# Altium PCB PCB_R_Board.PcbDoc
Units mm, origin at the board's own origin, x right, y up, seen from the top; angles counter-clockwise.
Board outline 95 x 60 mm, 2 copper layers (Top Layer, Bottom Layer); 102 components, 70 nets, 349 pads, 77 vias.
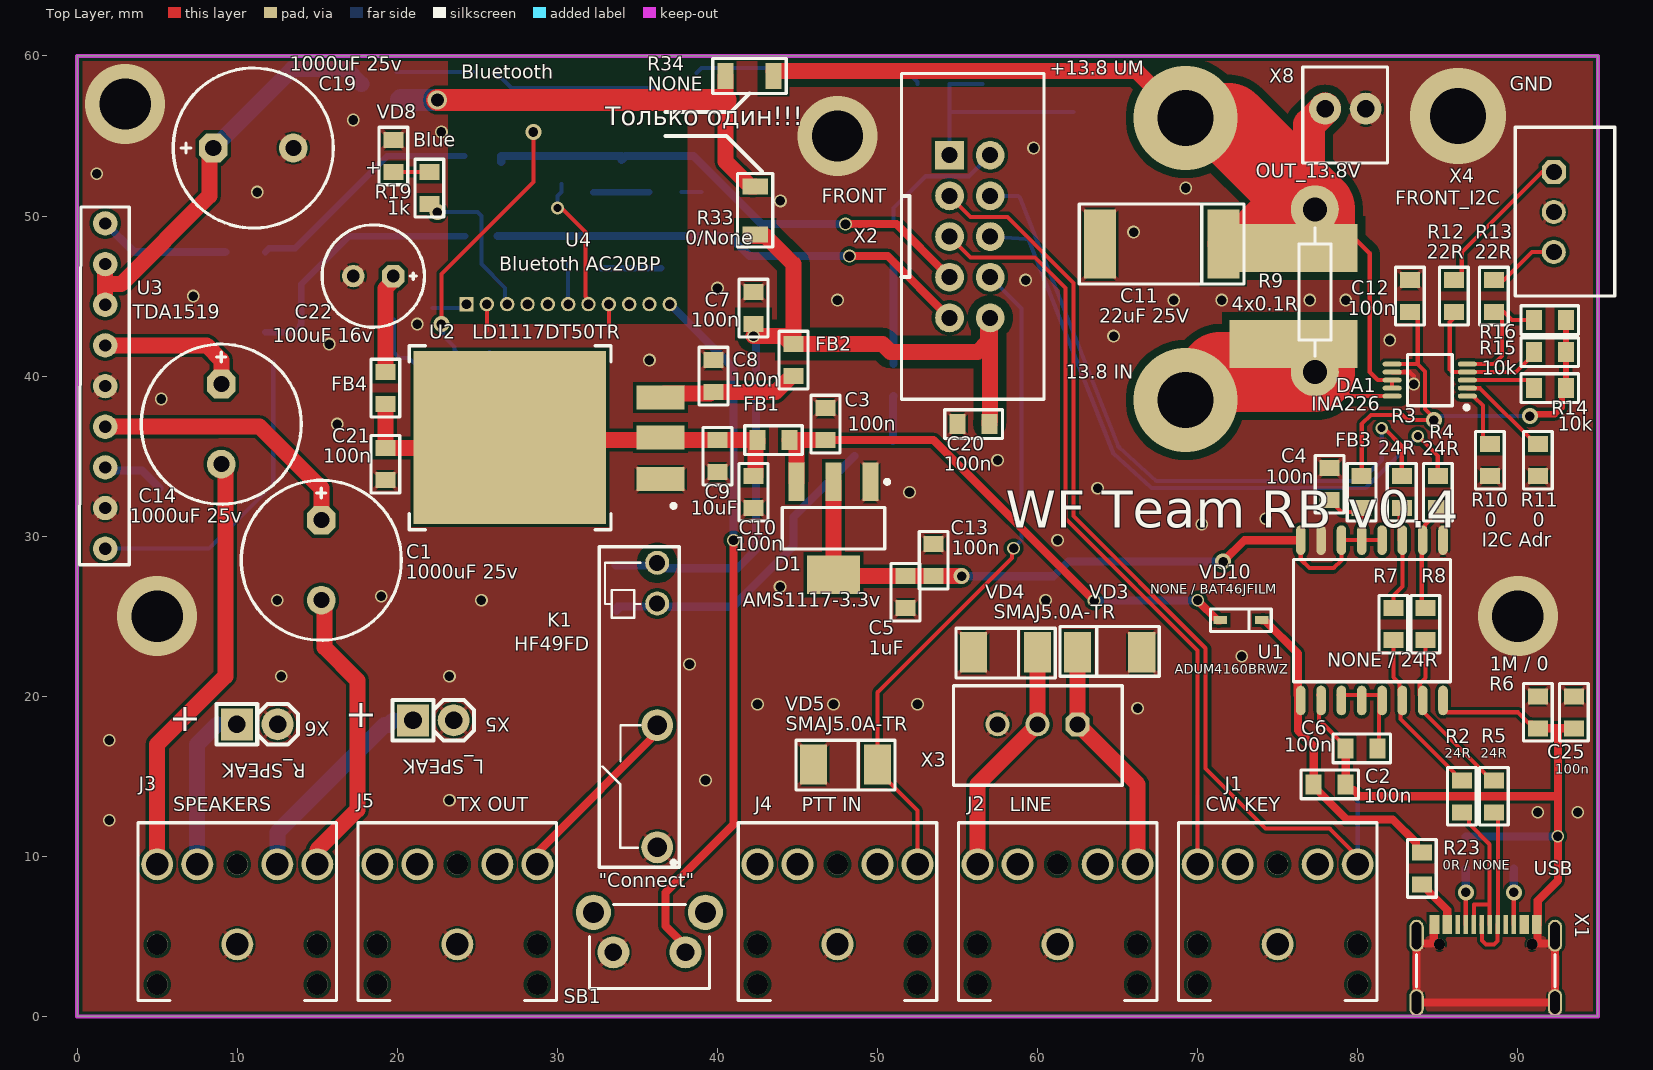
[diagram p0: Top Layer view]
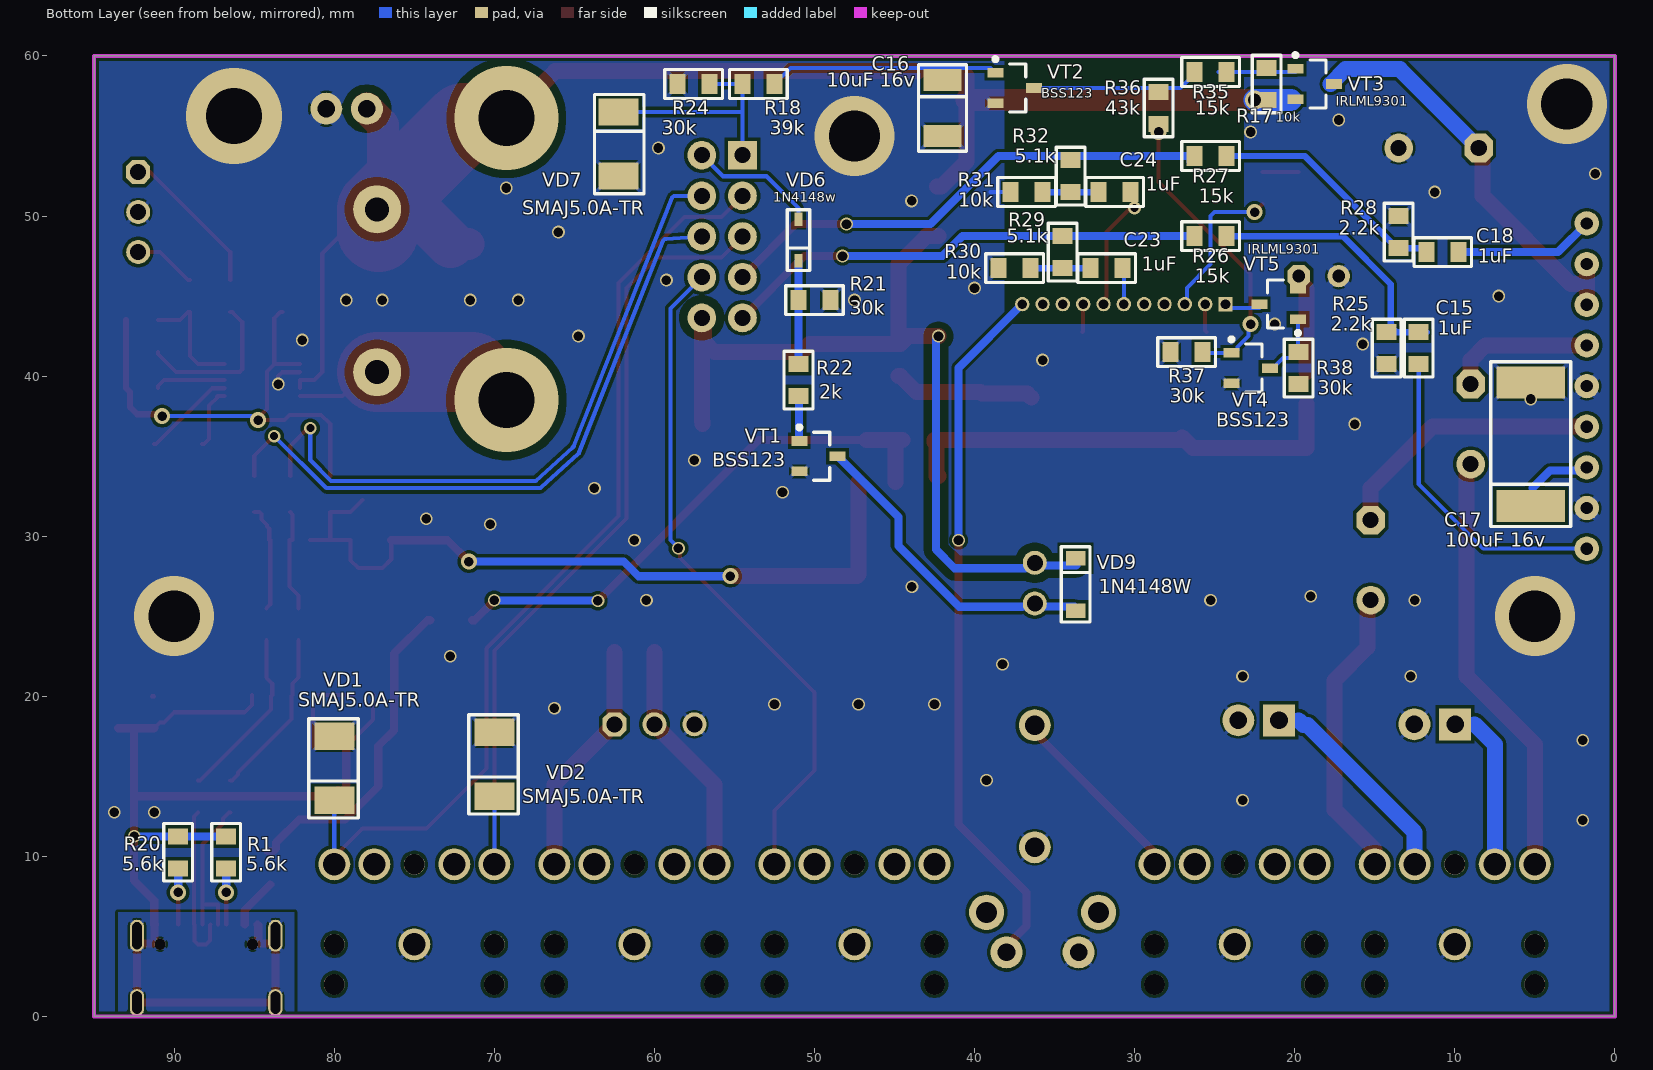
[diagram p1: Bottom Layer view, seen from below]
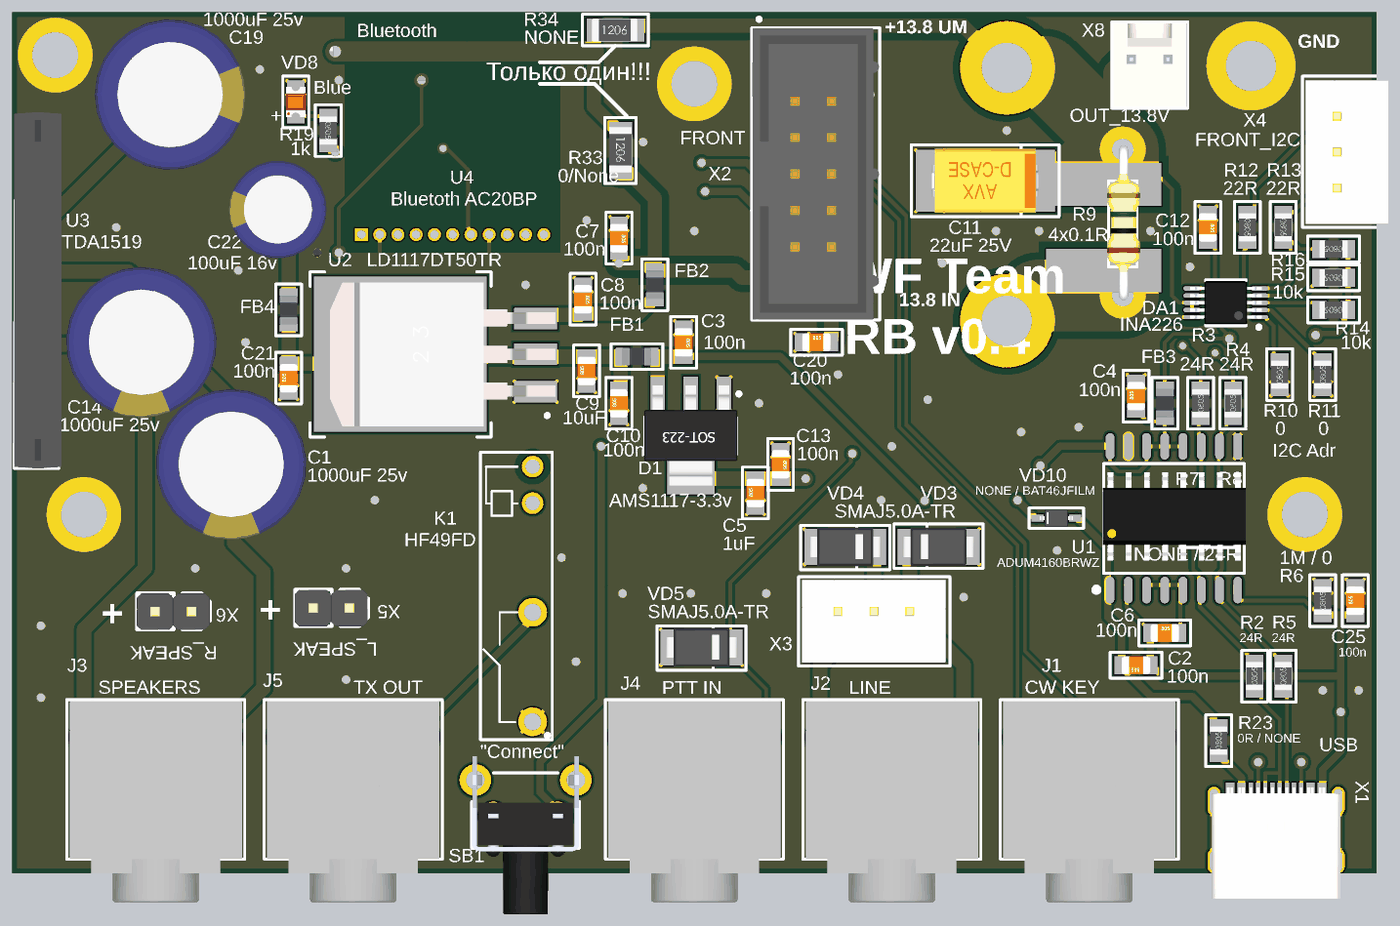
[diagram p2: 3D render of the assembled board from above, using the file's embedded part models]
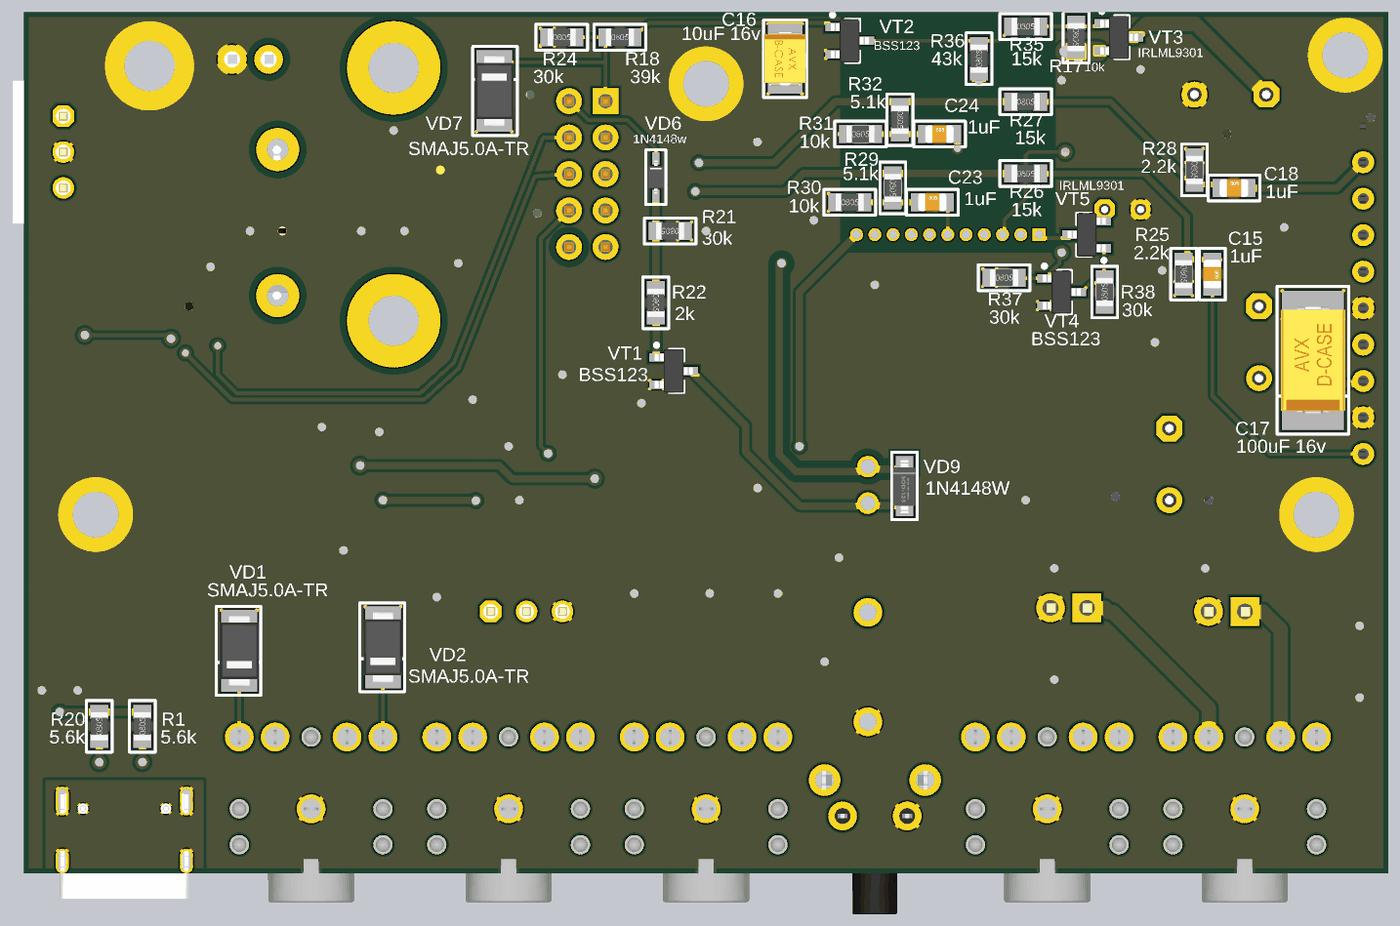
[diagram p3: 3D render of the assembled board from below, using the file's embedded part models]

## Layer stack, top to bottom
Top Solder: solder mask 0.0102, Solder Resist, Dk 3.5
Top Layer: signal copper 0.0356
Dielectric 1: dielectric 0.32, FR-4, Dk 4.8
Bottom Layer: signal copper 0.0356
Bottom Solder: solder mask 0.0102, Solder Resist, Dk 3.5

## Board outline
0,0 0,60 95,60 95,0

## Design rules (kind name [scope] priority, off if disabled: settings)
Clearance Power [InNetClass('Power')] p1: gap=0.508 ignorepadtopadclearanceinfootprint=FALSE
Clearance [All] p2: gap=0.2 ignorepadtopadclearanceinfootprint=FALSE except(0.3: Arc-Via Track-Via)
PolygonConnect "All Poly" [All] p1: connectstyle=Relief reliefconductorwidth=0.254 reliefentries=4 polygonreliefangle="45 Angle" airgapwidth=0.127
RoutingVias [All] p1: holewidth=0.711 width=1.27 viastyle="Through Hole" minholewidth=0.711 minwidth=1.27 maxholewidth=0.711 maxwidth=1.27
SolderMaskExpansion [All] p1: expansion=0.102 istentingtop=FALSE
Width [All] p1: maxlimit=5 minlimit=0.127 preferedwidth=0.508 minimp=50.000000 maximp=50.000000 favimp=50.000000
30 further rules are at their usual default settings.

## Classes and differential pairs
net class Power: +12RB "+13.8 UM" IN+
component class RB_Power: C2 C3 C4 C5 C6 C7 C8 C9 C10 C11 C12 C13 C25 D1 DA1 FB1 FB2 FB3 R2 R3 R4 R5 R6 R7 R8 R9 R10 R11 R12 R13 R14 R15 R16 R23 U1 U2 VD10 X8
component class RB_Conn: C20 J1 J2 J3 J4 J5 K1 R1 R20 R21 R22 VD1 VD2 VD3 VD4 VD5 VD6 VD9 VT1 X1 X2 X3 X4 X5 X6
component class RB_Audio: C1 C14 C15 C16 C17 C18 C19 C21 C22 C23 C24 FB4 R17 R18 R19 R24 R25 R26 R27 R28 R29 R30 R31 R32 R33 R34 R35 R36 R37 R38 SB1 U3 U4 VD7 VD8 VT2 VT3 VT4 VT5

## Components (designator, comment, footprint, x,y, rotation, side; value= is the part's Value field where it differs from the comment)
C1 "1000uF 25v" D10C5H12.5 15.25,28.5 r270 top
C2 "100n" CH0805C 78.25,14.5 r180 top
C3 "100n" CH0805C 46.75,37 r270 top
C4 "100n" CH0805C 78.25,33.25 r90 top
C5 "1uF" CH0805C 51.75,26.5 r90 top
C6 "100n" CH0805C 80.25,16.75 r0 top
C7 "100n" CH0805C 42.25,44.25 r270 top
C8 "100n" CH0805C 39.75,40 r270 top
C9 "10uF" CH0805C 40,35 r90 top
C10 "100n" CH0805C 42.25,32.75 r90 top
C11 "22uF 25V" TANTAL_D 67.75,48.25 r180 top
C12 "100n" CH0805C 83.25,45 r270 top
C13 "100n" CH0805C 53.5,28.5 r270 top
C14 "1000uF 25v" D10C5H12.5 9,37 r270 top
C15 "1uF" CH0805C 12.25,41.75 r270 bottom
C16 "10uF 16v" TANTAL_B 42,56.75 r270 bottom
C17 "100uF 16v" TANTAL_D 5.25,35.75 r90 bottom
C18 "1uF" CH0805C 10.75,47.75 r180 bottom
C19 "1000uF 25v" D10C5H12.5 11,54.25 r0 top
C20 "100n" CH0805C 56,37 r0 top
C21 "100n" CH0805C 19.25,34.5 r90 top
C22 "100uF 16v" D6.3C2.5H11 18.5,46.25 r180 top
C23 "1uF" CH0805C 31.75,46.75 r180 bottom
C24 "1uF" CH0805C 31.25,51.5 r180 bottom
C25 "100n" CH0805C 93.504,19 r90 top
D1 "AMS1117-3.3v" SOT223 47.25,30.5 r270 top
DA1 "INA226" 10-TSSOP 84.5,39.75 r180 top
FB1 "BLM21" CH0805L 43.5,36 r180 top
FB2 "BLM21" CH0805L 44.75,41 r90 top
FB3 "BLM21" CH0805L 80.25,32.75 r90 top
FB4 "BLM21" CH0805L 19.25,39.25 r270 top
J1 "PJ-307" PJ-307 75,4.5 r90 top locked
J2 "PJ-307" PJ-307 61.25,4.5 r90 top locked
J3 "PJ-307" PJ-307 10,4.5 r90 top locked
J4 "PJ-307" PJ-307 47.5,4.5 r90 top locked
J5 "PJ-307" PJ-307 23.75,4.5 r90 top locked
K1 "HF49FD" HF49FD 37.612,9.315 r90 top
R1 "5.6k" CH0805R 86.75,10.25 r90 bottom
R2 "24R" CH0805R 86.5,13.75 r90 top
R3 "24R" CH0805R 82.75,32.75 r90 top
R4 "24R" CH0805R 85,32.75 r90 top
R5 "24R" CH0805R 88.5,13.75 r90 top
R6 "1M / 0" CH0805R 91.25,19 r90 top
R7 "NONE / 24R" CH0805R 82.225,24.5 r90 top
R8 "NONE / 24R" CH0805R 84.225,24.5 r90 top
R9 "4x0.1R" R-DIP 77.325,40.25 r90 top
R10 "0" CH0805R 88.25,34.75 r90 top
R11 "0" CH0805R 91.25,34.75 r90 top
R12 "22R" CH0805R 86,45 r270 top
R13 "22R" CH0805R 88.5,45 r270 top
R14 "10k" CH0805R 92,39.25 r180 top
R15 "10k" CH0805R 92,41.5 r180 top
R16 "10k" CH0805R 92,43.5 r180 top
R17 "10k" CH0805R 21.75,58.25 r270 bottom
R18 "39k" CH0805R 53.5,58.25 r180 bottom
R19 "1k" CH0805R 22,51.75 r270 top
R20 "5.6k" CH0805R 89.75,10.25 r90 bottom
R21 "30k" CH0805R 50,44.75 r0 bottom
R22 "2k" CH0805R 51,39.75 r270 bottom
R23 "0R / NONE" CH0805R 84,9.25 r90 top
R24 "30k" CH0805R 57.554,58.25 r180 bottom
R25 "2.2k" CH0805R 14.25,41.75 r270 bottom
R26 "15k" CH0805R 25.25,48.75 r180 bottom
R27 "15k" CH0805R 25.25,53.75 r180 bottom
R28 "2.2k" CH0805R 13.5,49 r270 bottom
R29 "5.1k" CH0805R 34.5,47.75 r270 bottom
R30 "10k" CH0805R 37.5,46.75 r180 bottom
R31 "10k" CH0805R 36.75,51.5 r180 bottom
R32 "5.1k" CH0805R 34,52.5 r270 bottom
R33 "0/None" CH1206R 42.353,50.361 r270 top
R34 "NONE" CH1206R 42,58.75 r0 top
R35 "15k" CH0805R 25.25,59 r180 bottom
R36 "43k" CH0805R 28.5,56.75 r90 bottom
R37 "30k" CH0805R 26.75,41.5 r180 bottom
R38 "30k" CH0805R 19.75,40.5 r90 bottom
SB1 "\"Connect\"" "BUT: 6x6 mm (R)" 33.5,4 r0 top locked
U1 "ADUM4160BRWZ" 16-SOIC(W) 80.409,24.744 r90 top
U2 "LD1117DT50TR" TO-263-3(123) 27.25,36 r90 top
U3 "TDA1519" SOT110B 1.75,29.22 r90 top
U4 "Bluetoth AC20BP" "Bluetooth 11PIN" 30.671,44.5 r0 top
VD1 "SMAJ5.0A-TR" SMA 80,15.5 r270 bottom
VD2 "SMAJ5.0A-TR" SMA 70,15.75 r270 bottom
VD3 "SMAJ5.0A-TR" SMA 64.5,22.75 r180 top
VD4 "SMAJ5.0A-TR" SMA 58,22.75 r0 top
VD5 "SMAJ5.0A-TR" SMA 48,15.75 r0 top
VD6 "1N4148w" SOD323 51,48.5 r270 bottom
VD7 "SMAJ5.0A-TR" SMA 62.25,54.5 r90 bottom
VD8 "Blue" CH0805LB 19.75,53.75 r90 top
VD9 "1N4148W" SOD123 33.687,25.34 r90 bottom
VD10 "NONE / BAT46JFILM" SOD323 72.7,24.75 r0 top
VT1 "BSS123" SOT23_132 49.75,35 r180 bottom
VT2 "BSS123" SOT23_132 37.5,58 r180 bottom
VT3 "IRLML9301" SOT23_132 18.75,58.25 r180 bottom
VT4 "BSS123" SOT23_132 22.75,40.5 r180 bottom
VT5 "IRLML9301" SOT23_132 21,44.5 r0 bottom
X1 "USB Type-C-m12" PCBComponent_1 88,3.3 r0 top
X2 "FRONT" "CON: BH-10" 54.5,53.8 r270 top
X3 "FRONT_LIN" "CON: CWF-3" 60,18.25 r180 top
X4 "FRONT_I2C" "CON: CWF-3" 92.25,50.25 r270 top
X5 "L_SPEAK" "CON: PLS-2" 22.25,18.5 r0 top
X6 "R_SPEAK" "CON: PLS-2" 11.25,18.25 r0 top
X8 "OUT_13.8V" "CON: WF-02" 77.96,56.707 r0 top

## Footprints (in the part's own frame and the unit in brackets; to place one, negate y for a bottom-side part, rotate by r counter-clockwise, add the part's x,y. Pads: shape width x height; smd on the part's side, far side on the other; paste and mask are expansions set on the pad)
10-TSSOP [mm] "TSSOP, 10-Leads, Body 3,00x2,95mm, Pitch 0,50mm, IPC Medium Density"
  rrect100% 1.2x0.3 smd: 1(-2.35,1) 2(-2.35,0.5) 3(-2.35,0) 4(-2.35,-0.5) 5(-2.35,-1) 6(2.35,-1) 7(2.35,-0.5) 8(2.35,0) 9(2.35,0.5) 10(2.35,1)
  round 0.5 on Mech1: ""(-2.1,1.1)
  silkscreen extent -2.43,-1.6 1.4,1.82, body extent -2.5,-1.5 2.5,1.5, height 1.1
16-SOIC(W) [mm]
  oval 1.85x0.6 smd: 1(-5.006,3.969) 2(-5.006,2.699) 3(-5.006,1.429) 4(-5.006,0.159) 5(-5.006,-1.111) 6(-5.006,-2.381) 7(-5.006,-3.651) 8(-5.006,-4.921) 9(5.006,-4.921) 10(5.006,-3.651) 11(5.006,-2.381) 12(5.006,-1.111) 13(5.006,0.159) 14(5.006,1.429) 15(5.006,2.699) 16(5.006,3.969)
  round 0.7 on Top Overlay: 10(-4.981,4.921)
  round 0.7 on Mech1: 25(-4.744,3.625)
  silkscreen extent -3.83,-5.38 3.81,4.42, body extent -2.94,-5.48 3.19,4.48, height 1.73
"Bluetooth 11PIN" [mm] "Bluetooth module"
  rect 0.9x0.9 hole 0.6: 1(-6.349,0)
  round 0.9 hole 0.6: 2(-5.079,0) 3(-3.809,0) 4(-2.539,0) 5(-1.27,0) 6(0,0) 7(1.27,0) 8(2.539,0) 9(3.809,0) 10(5.079,0) 11(6.349,0)
  Multi-Layer pour cut-out: -7.512,-1.27 -7.512,22.425 7.488,22.425 7.488,-1.27
"BUT: 6x6 mm (R)" [mm]
  round 2.2 hole 1.3: 0(-1.25,2.5) 0(5.75,2.5)
  round 2 hole 1.1: 1(0,0) 2(4.5,0)
  silkscreen extent -1.5,-2.25 6,3, body extent -1.45,-6.85 5.95,4.15, height 7
CH0805C [mm] "Chip Capacitor, 2-Leads, Body 2,00x1,20mm, IPC Medium Density"
  rect 1x1.25 smd: 1(-1,0) 2(1,0)
  silkscreen extent -1.8,-0.9 1.8,0.9, body extent -1,-0.62 1,0.63, height 0.78
CH0805L [mm]
  rect 1x1.25 smd: 1(-1,0) 2(1,0)
  silkscreen extent -1.8,-0.9 1.8,0.9, body extent -1,-0.62 1,0.63, height 0.85
CH0805LB [mm]
  rect 1x1.25 smd: 1(-1,0) 2(1,0)
  silkscreen extent -1.8,-0.9 1.8,0.9, body extent -1.05,-0.67 1.05,0.68, height 0.8
CH0805R [mm]
  rect 1x1.25 smd: 1(-1,0) 2(1,0)
  silkscreen extent -1.8,-0.9 1.8,0.9, body extent -1,-0.6 1,0.6, height 0.44
CH1206R [mm] "Chip Resistor, 2-Leads, Body 3,0x1,5mm, IPC Low Density"
  rect 1x1.6 smd: 1(-1.5,0) 2(1.5,0)
  silkscreen extent -2.3,-1.1 2.3,1.1, body extent -1.65,-0.8 1.55,0.8, height 0.47
"CON: BH-10" [mm] "Connector; Header; 10 Position"
  rect 1.8x1.8 hole 1: 1(0,0)
  round 1.8 hole 1: 2(0,2.54) 3(2.54,0) 4(2.54,2.54) 5(5.08,0) 6(5.08,2.54) 7(7.62,0) 8(7.62,2.54) 9(10.16,0) 10(10.16,2.54)
  round 0.5 on Top Overlay: ""(-5.7,-2.5)
  round 0.5 on Mech1: ""(-4.5,-2.5)
  silkscreen extent -5.1,-3 15.25,5.9, body extent -5.07,-2.98 15.23,5.87, height 2.77
"CON: CWF-3" [mm]
  oct 1.5x1.5 hole 1: 1(-2.5,0)
  round 1.5 hole 1: 2(0,0) 3(2.5,0)
  round 0.5 on Mech1: 28(-4.5,-1.7)
  silkscreen extent -5.29,-2.41 5.25,3.81, body extent -5,-2.2 5,3.55, height 7
"CON: PLS-2" [mm]
  rect 2x2 hole 1.1: 1(-1.27,0)
  round 2 hole 1.1: 2(1.27,0)
  silkscreen extent -2.54,-1.27 2.54,1.27, body extent -2.57,-1.28 2.51,1.26, height 8.54
"CON: WF-02" [mm]
  round 2 hole 1.1: 1(0,0) 2(2.54,0)
  round 0.5 on Mech1: ""(-0.8,2)
  silkscreen extent -1.4,-3.4 3.9,2.6, body extent -1.3,-3.3 3.78,2.5, height 11.5
D6.3C2.5H11 [mm] "Polar capacitor, diameter 6.3 mm, leads clearance 2.5 mm, height 11 mm"
  oct 1.4x1.4 hole 0.8: 1(-1.25,0)
  round 1.4 hole 0.8: 2(1.25,0)
  silkscreen extent -3.2,-3.2 3.2,3.2, body extent -3.4,-3.4 3.4,3.4, height 12.5
D10C5H12.5 [mm] "Polar capacitor, diameter 10 mm, leads clearance 5 mm, height 12.5 mm"
  oct 1.8x1.8 hole 1: 1(-2.5,0)
  round 1.8 hole 1: 2(2.5,0)
  silkscreen extent -5,-5 5,5, body extent -5.25,-5.25 5.25,5.25, height 14
HF49FD [mm]
  round 2 hole 1.2: 1(1.25,1.375) 2(8.875,1.375)
  round 1.5 hole 1: 3(16.475,1.375) 4(19.025,1.375)
  silkscreen extent 0,0 20.02,5
PCBComponent_1 [mm]
  rect 0.6x1.2 smd mask+0.1: 1(-3.205,2.44) 2(-2.405,2.44) 11(2.395,2.44) 12(3.195,2.44)
  round 0.7 hole 0.7: 1(-2.895,1.21) 1(2.885,1.21)
  rect 0.3x1.2 smd mask+0.1: 3(-1.755,2.44) 4(-1.255,2.44) 5(-0.755,2.44) 6(-0.255,2.44) 7(0.245,2.44) 8(0.745,2.44) 9(1.245,2.44) 10(1.745,2.44)
  oval 0.9x1.7 hole 0.6 slot 1.4 at 90 deg: 13(-4.325,-2.44) 13(4.325,-2.44)
  oval 0.9x2 hole 0.6 slot 1.7 at 90 deg: 13(-4.325,1.74) 13(4.325,1.74)
  silkscreen extent -4.33,-1.47 4.33,0.56, body extent -4.48,-5.07 4.46,2.68, height 3.31
PJ-307 [mm]
  round 1.3 hole 1.3: 0(-2.5,5) 0(-2.5,-5) 0(0,5) 0(0,-5) 0(5,0)
  round 2 hole 1.4: 1(0,0) 2(5,5) 3(5,2.5) 4(5,-2.5) 5(5,-5)
  silkscreen extent -3.5,-6.2 7.6,6.2, body extent -6.5,-6 7.5,6, height 5.5
R-DIP [mm]
  round 3 hole 1.5: 1(0,0) 2(10.175,0)
  silkscreen extent 1,-1 9,1, body extent -0.31,-1.21 10.46,1.1, height 2.93
SMA [mm]
  rect 1.7x2.5 smd: 1(-2,0) 2(2,0)
  round 0.5 on Mech1: ""(2,0.9)
  silkscreen extent -3.1,-1.6 3.1,1.5, body extent -2.5,-1.35 2.5,1.35, height 2.28
SOD123 [mm]
  rect 0.91x1.22 smd: 1(0,0) 2(3.275,0)
  round 0.5 on Mech1: 4(3,0.4)
  silkscreen extent -0.7,-0.9 4,0.9, body extent -0.25,-0.8 3.45,0.8, height 1.25
SOD323 [mm]
  rect 0.85x0.5 smd: 1(-1.3,0) 2(1.3,0)
  round 0.5 on Mech1: 5(0.7,0.2)
  silkscreen extent -1.9,-0.7 1.9,0.7, body extent -1.15,-0.6 1.15,0.6, height 1.04
SOT23_132 [mm] "SOT23, 3-Leads, Body 3,0x2,6mm (max), Pitch 0,95mm, IPC Medium Density"
  rect 1x0.6 smd: 1(-1.2,0.95) 2(-1.2,-0.95) 3(1.2,0)
  round 0.5 on Mech1: ""(-0.9,1.1)
  silkscreen extent -1.33,-1.5 0.7,1.92, body extent -1.32,-1.52 1.32,1.52, height 1.12
SOT110B [mil]
  round 60 hole 30: 1(0,0) 2(100,0) 3(200,0) 4(300,0) 5(400,0) 6(500,0) 7(600,0) 8(700,0) 9(800,0)
  silkscreen extent -39,-59 841,63, body extent -39,-67 937,63, height 700
SOT223 [mm] "SOT223, 4-Leads, Body 6,50x7,00mm (avg), Pitch 2,30mm, IPC Medium Density"
  rect 2.4x1 smd: 1(-2.9,2.3) 2(-2.9,0) 3(-2.9,-2.3)
  rect 2.4x3.3 smd: 4(2.9,0)
  round 0.5 on Mech1: ""(-3,2.7)
  silkscreen extent -3.02,-3.2 1.3,3.48, body extent -3.48,-3.25 3.48,3.25, height 1.65
TANTAL_B [mm]
  rect 1.4x2.4 smd: 1(-1.75,0) 2(1.75,0)
  round 0.5 on Mech1: ""(-1.4,1)
  silkscreen extent -2.7,-1.5 2.7,1.5, body extent -1.85,-1.46 1.85,1.47, height 2.03
TANTAL_D [mm]
  rect 2x4.3 smd: 1(-3.85,0) 2(3.85,0)
  round 0.5 on Mech1: ""(-3.1,1.8)
  silkscreen extent -5.15,-2.5 5.15,2.5, body extent -3.7,-2.22 3.7,2.23, height 3.01
TO-263-3(123) [mm]
  rect 1.5x3 smd: 1(-2.44,-9.2) 2(0.175,-9.2) 3(2.655,-9.2)
  rect 10.8x12 smd: 2(0.175,0.225)
  silkscreen extent -5.6,-10.13 5.9,6.5, body extent -4.85,-10.57 5.15,5.11, height 4.78

## Part data
C1 C14 C19 C22: library part AlumCap
C2 C3 C4 C5 C6 C7 C8 C9 C10 C12 C13 C15 C18 C20 C21 C23 C24 C25: library part Capacitor
C11 C16 C17: library part TantalCap
D1: library part NCP1117LPST50T3G, "LDO", Manufacturer="ON Semiconductor", ComponentKind=SOT-223, HelpURL=https://www.digikey.com/product-detail/en/on-semiconductor/NCP1117LPST50T3G/NCP1117LPST50T3GOSCT-ND/5801728, Model=NCP1117LPST50T3G
FB1 FB2 FB3 FB4: library part FB-1
J1: library part JACK_Audio-3, "KEY"
J2: library part JACK_Audio-3, "LIN"
J3: library part JACK_Audio-3, "OUT_SPEAKERS"
J4: library part JACK_Audio-3, "PTT_IN"
J5: library part JACK_Audio-3, "TX"
K1: library part "HF49FD 012-1H12"
R1 R2 R3 R4 R5 R6 R7 R8 R9 R10 R11 R12 R13 R14 R15 R16 R17 R18 R19 R20 R21 R22 R23 R24 R25 R26 R27 R28 R29 R30 R31 R32 R33 R34 R35 R36 R37 R38: library part Resistor
SB1: library part "Tactile switches", "6x6 mm"
U1: library part ADUM3160BRWZ, "Isolator USB", Manufacturer="Analog Devices Inc.", ComponentKind=16-SOIC, HelpURL=https://www.digikey.com/product-detail/en/analog-devices-inc/ADUM3160BRWZ/ADUM3160BRWZ-ND/2361054, Model=ADUM3160BRWZ
U2: library part LM1084
U4: library part "Bluetoth AC20BP Module"
VD1 VD2 VD3 VD4 VD5 VD7: library part "Diod Zener"
VD6 VD9 VD10: library part Diod
VD8: library part LED
VT3 VT5: "Mosfet"
X1: library part USB-C_2.0
X2: library part 10(2)-Connector
X3 X4: library part 3-Connector
X5 X6 X8: library part 2-Connector

## Free pads (board coordinates)
  rect 8x3 smd: 2(76,48) 3(76,42)

## Via types
v1: diameter 0.8, hole 0.6, Top Layer to Bottom Layer, tented both sides, 57 vias
v2: diameter 1, hole 0.6, Top Layer to Bottom Layer, tented both sides, 9 vias
v3: diameter 5, hole 3.2, Top Layer to Bottom Layer, 4 vias
v4: diameter 0.8, hole 0.5, Top Layer to Bottom Layer, tented both sides, 3 vias
v5: diameter 6.5, hole 3.5, Top Layer to Bottom Layer, 2 vias
v6: diameter 1.2, hole 0.8, Top Layer to Bottom Layer, tented both sides, 1 vias
v7: diameter 6, hole 3.5, Top Layer to Bottom Layer, 1 vias

## Nets (pads, with @x,y where several pads share a name; then routed paths per layer and width w, separated by ;. In a path a pad name is that pad's centre, name@x,y a point inside that pad or via, vN(x,y) a via of type N, cw(c..) or ccw(c..) an arc to the next point about the centre after c; other vN are vias at no path point)
+3.3RB: C4.1 C5.2 C13.2 D1.2 D1.4 FB3.1 U1.12 U1.13 U1.14 U1.16 | length 48
  Top Layer w0.254: U1.16 76.44,28.56 77,28 78.5,28 78.98,28.48 U1.14 U1.13 ; C4.1 79,31.5 80.25,31.5 U1.13 ; U1.12 U1.13
  Top Layer w0.508: v2(71.587,28.413) 72.925,29.75 U1.16
  Top Layer w1: D1.2 D1.4 47.35,27.5 C5.2 C13.2 v2(55.25,27.5)
  Bottom Layer w0.508: v2(55.25,27.5) 61,27.5 61.912,28.413 v2(71.587,28.413)
+5RB: C9.2 C10.2 C21.2 FB1.2 FB4.2 U2.2 | length 28.8
  Top Layer w1: FB4.2 C21.2 26.35,35.5 27.025,36.175 27.2,36 C9.2 FB1.2 42.5,35.875 42.375,35.75 42.375,33.75 C10.2
+12RB: C7.2 FB2.2 K1.4 R33.2 VD9.2 X2.10 | length 54.6
  Top Layer w1: v1(42.25,42.5) 44.125,42.5 44.625,42 FB2.2 ; R33.2@42.25,48.75 43,48.75 44.75,47 FB2.2 ; 57,37 57,37.125 57.04,37.165 X2.10 56.887,43.487 56.887,42.137 56.25,41.5 50.812,41.5 50.313,42 FB2.2
  Bottom Layer w0.508: VD9.2@33.647,28.174 36.071,28.174 K1.4 36.505,28.34 36.845,28 41.25,28 42.408,29.158 42.408,42.342 v1(42.25,42.5)
"+13.8 UM": C11.1 DA1.8 DA1.9 pad.2 R9.2 R34.2 X8.1 | length 68
  Top Layer w0.254: C11.1 72.432,49.082 pad.2@72.832,49.082 ; R9.2@78.337,50.088 80.75,47.675 80.75,40.25 81.25,39.75 DA1.8 DA1.9
  Top Layer w1: R34.2@43.5,59.05 66.196,59.05 67.938,57.307 70.443,57.307 v5(69.25,56.115)
  Top Layer w2: C11.1 pad.2@72.75,48.25 ; 74.925,50.425 R9.2@77.25,50.425 ; R9.2@76.963,51.463 76.963,55.71 X8.1
  Top Layer w3: pad.2@72.75,48.25 74.925,50.425
  Top Layer w5: v5(69.25,56.115) 69.537,55.828 71.922,55.828 R9.2 77.325,49.075 pad.2@77.25,49
AF_AMP_MUTE: R18.1 R24.2 VD7.2 X2.1 | length 14.3
  Bottom Layer w0.254: X2.1 54.5,56.5 ; R24.2 R18.1 54.5,56.5 ; VD7.2 54.5,56.5
GND: C3.1 C4.2 C5.1 C7.1 C8.1 C9.1 C10.1 C11.2 C12.1 C13.1 C16.2 C17.2 C19.2 C20.1 C21.1 C22.2 C25.2 D1.1 DA1.7 J1.1 J2.1 J3.1 J4.1 J5.1 K1.1 R6.2 R10.1 R11.1 R21.1 R24.1 R25.2 R28.1 R30.1 R31.1 R37.1 SB1.1 U1.9 U1.15 U2.1 U3.2 U3.5 U4.2 U4.8 VD1.1 VD2.1 VD3.1 VD4.1 VD5.1 VD7.1 VD8.2 VT1.2 VT2.2 VT4.2 X3.3 X4.2 X5.2 X6.2 X8.2 | length 6.4
  Top Layer w0.254: 25.5,42.75 25.592,42.842 U4.2 ; U4.8 33.211,42.789 33.25,42.75 ; DA1.7 82.159,40.241 83.259,40.241 83.5,40 ; R6.2 R6.2@91.375,20
  Bottom Layer w0.254: R31.1 39,51.5
  other v1: 2,12.25 91.25,12.75 93.75,12.75 23.25,13.5 39.25,14.75 2,17.25 66.25,19.25 42.5,19.5 47.25,19.5 52.5,19.5 12.75,21.25 23.25,21.25 38.25,22 72.75,22.5 12.5,26 25.25,26 60.5,26 19,26.25 43.91,26.84 61.25,29.75 70.25,30.75 74.25,31.092 52,32.75 63.75,33 57.5,34.75 16.25,37 5.25,38.57 83.5,39.5 35.75,41 15.75,42 82,42.25 64.75,42.5 21.25,43.25 47.5,44.75 68.5,44.75 71.5,44.75 77,44.75 79.25,44.75 7.25,45 40,45.5 59.25,46 66,49 43.929,50.947 11.25,51.5 69.25,51.75 1.223,52.645 59.75,54.25 22.75,55.25 17.25,56
  other v3: 5,25 90,25 47.5,55 3,57
  other v7: 86.25,56.25
IN+: DA1.10 pad.3 R9.1 | length 13.2
  Top Layer w0.254: R9.1@78,40.25 79.5,38.75 DA1.10
  Top Layer w5: v5@69.537,38.787 69.943,38.787 71.406,40.25 R9.1
  other v5: 69.25,38.5
KEY_IN_DASH: J1.2 VD2.2 X2.5 | length 51.3
  Top Layer w0.254: X2.5 55.813,47.407 59.843,47.407 61.75,45.5 61.75,31.108 70,22.858 J1.2@70,10
  Bottom Layer w0.254: J1.2@70,10 VD2.2
KEY_IN_DOT: J1.5 VD1.2 X2.3 | length 59
  Top Layer w0.254: X2.3 55.813,49.947 58.11,49.947 62.25,45.807 62.25,31.25 70.5,23 70.5,15.5 74.25,11.75 78.25,11.75 J1.5@80,10
  Bottom Layer w0.254: J1.5@80,10 VD1.2
L_SP: C1.2 J3.5 | length 18.1
  Top Layer w1: J3.5@15,10 15,10.404 17.5,12.904 17.5,21 15.45,23.05 C1.2@15.45,26.25
L_SP_OUT: J3.4 X5.1 | length 11.7
  Bottom Layer w1: J3.4@12.5,9.962 12.5,11.5 19.207,18.207 19.457,18.207 19.75,18.5
LHP_OUT: R26.1 R29.1 X2.9 | length 30.4
  Top Layer w0.508: v1(48.25,47.5) 50.64,47.5 X2.9
  Bottom Layer w0.508: R26.1 35.25,48.75 40.75,48.75 42,47.5 v1(48.25,47.5)
LINE_IN1: J2.5 VD3.2 X3.1 | length 14.3
  Top Layer w1: VD3.2 X3.1 66.25,14.5 J2.5@66.25,10
LINE_IN2: J2.2 VD4.2 X3.2 | length 14.3
  Top Layer w1: J2.2@56.25,10 56.25,14.5 X3.2 VD4.2
NetC1_1: C1.1 U3.4 | length 17.1
  Top Layer w1: U3.4 8.827,36.84 8.837,36.85 11.4,36.85 15.25,33 C1.1
NetC2_2: C2.2 R23.2 U1.1 VD10.2 | length 20.6
  Top Layer w0.508: VD10.2 74.167,24.75 76.256,22.661 76.256,20.087 76.274,20.07 76.274,17.872 77.25,16.896 C2.2 77.25,14.375 79.313,12.313 82.188,12.313 83.629,10.871 83.629,10.496 83.789,10.336 R23.2@84.164,10.336
NetC3_2: C3.2 D1.3 FB1.1 VD10.1 | length 34.9
  Top Layer w0.254: FB1.1@44.873,36.373 FB1.1 44.5,35.875 FB1.1@44.95,35.425
  Top Layer w0.508: C3.2 53.5,36 v1(63.531,25.969) ; v1(70,26) 70,25.983 71.233,24.75 VD10.1
  Top Layer w1: FB1.1 C3.2 ; D1.3 FB1.1@44.95,35.425
  Bottom Layer w0.508: v1(63.531,25.969) 63.547,25.984 69.984,25.984 v1(70,26)
NetC6_2: C6.2 U1.3 U1.4 U1.5 | length 5.9
  Top Layer w0.254: U1.3@78.796,20.087 80.066,20.087 81.336,20.087 81.336,16.836 C6.2
NetC8_2: C8.2 FB2.1 U2.3 | length 8.9
  Top Layer w1: U2.3 36.7,38.905 39.53,38.905 39.625,39 C8.2 42.25,39 43.625,39 44.625,40 FB2.1
NetC12_2: C12.2 DA1.6 FB3.2 R14.1 R15.1 R16.1 | length 31
  Top Layer w0.254: FB3.2 80.25,37 80.827,37.577 82.789,37.577 83.116,37.25 v2(84.75,37.25) 84.75,37.398 84.197,37.951 84.197,40.301 83.748,40.75 ; DA1.6 83.748,40.75 ; C12.2 83.375,44 83.748,43.627 83.748,40.75
  Top Layer w0.381: v2(90.75,37.5) 90.868,37.618 92.315,37.618 92.75,38.053 92.75,39 R14.1 R15.1 R16.1
  Bottom Layer w0.254: v2(84.75,37.25) 84.952,37.25 85.202,37.5 v2(90.75,37.5)
NetC14_1: C14.1 U3.6 | length 9.1
  Top Layer w1: U3.6 8.08,41.92 9,41 C14.1
NetC15_1: C15.1 R25.1 R26.2 | length 16.5
  Bottom Layer w0.4: C15.1@11.75,42.75 13.5,42.75 13.625,42.75 13.925,43.05 13.925,43.175 14,43.25 14,45.75 17,48.75 R26.2
NetC15_2: C15.2 U3.1 | length 19.8
  Bottom Layer w0.254: U3.1 8.22,29.22 12.25,33.25 C15.2@12.25,40.927
NetC16_1: C16.1 R18.2 VT2.1 | length 14.4
  Bottom Layer w0.254: VT2.1 39,59.25 51.5,59.25 52.002,58.748 52.127,58.748 52.5,58.375 R18.2
NetC17_1: C17.1 U3.3 | length 3.9
  Bottom Layer w0.508: U3.3 1.946,34.104 4.046,34.104 5.15,33
NetC18_1: C18.1 R27.2 R28.2 | length 14.9
  Bottom Layer w0.4: C18.1 12,48 R28.2 13.625,48 19.375,53.75 R27.2@24.197,53.75
NetC18_2: C18.2 U3.9 | length 8.2
  Bottom Layer w0.508: U3.9 1.752,49.54 3.542,47.75 C18.2@9.25,47.75
NetC19_1: C19.1 U3.7 U3.8 VT3.3 | length 26.2
  Top Layer w1: U3.7 1.75,45.75 ; U3.8@1.85,47.1 U3.8 1.75,45.75 ; C19.1 8.257,54.007 8.257,51.257 2.75,45.75 1.75,45.75
  Bottom Layer w1: C19.1 13.423,59.173 16.827,59.173 VT3.3@17.75,58.25
NetC22_1: C22.1 FB4.1 VT5.2 | length 6.2
  Top Layer w1: FB4.1 19.25,45.474 19.75,45.974 C22.1
NetC23_1: C23.1 R29.2 R30.2 | length 3.8
  Bottom Layer w0.4: C23.1 R29.2 R30.2
NetC23_2: C23.2 U4.6 | length 2.6
  Bottom Layer w0.254: U4.6 C23.2@30.671,47.141
NetC24_1: C24.1 R31.2 R32.2 | length 3.5
  Bottom Layer w0.4: C24.1 R31.2
NetC24_2: C24.2 U4.7 | length 8.6
  Top Layer w0.254: v4(30,50.5) 30.104,50.396 30.354,50.396 31.25,49.5 31.75,49 31.75,44.972 31.817,44.905 31.817,44.624 U4.7
  Bottom Layer w0.254: v4(30,50.5) 30,51.25 C24.2 C24.2@30.25,52
NetDA1_1: DA1.1 R10.2 | length 3.9
  Top Layer w0.254: DA1.1 87.288,38.75 87.309,38.729 87.309,38.66 87.816,38.153 87.816,36.06 88.125,35.75 R10.2
NetDA1_2: DA1.2 R11.2 | length 5.8
  Top Layer w0.254: DA1.2 86.859,39.241 87.634,39.241 91.125,35.75 R11.2
NetDA1_3: DA1.3 R14.2 | length 4.4
  Top Layer w0.254: DA1.3 90.625,39.75 91,39.375 R14.2
NetDA1_4: DA1.4 R12.2 R15.2 | length 9.9
  Top Layer w0.254: R12.2@86.5,44 86.375,44 85.75,43.375 85.75,40.408 85.899,40.259 86.841,40.259 DA1.4 89.875,40.25 91,41.375 R15.2
NetDA1_5: DA1.5 R13.2 R16.2 | length 7.3
  Top Layer w0.254: DA1.5 88.5,40.75 89,41.25 89,44 89.125,44 89.625,43.5 R16.2
NetJ5_5: J5.5 K1.2 | length 11.8
  Top Layer w0.508: J5.5@28.75,10 28.75,10.25 36.75,18.25 K1.2@36.75,18.5
NetK1_3: K1.3 VD9.1 VT1.3 | length 20
  Bottom Layer w0.508: VD9.1 VD9.1@33.888,25.541 ; VD9.1@33.75,25.6 37.026,25.6 37.03,25.596 40.97,25.596 44.76,29.386 44.76,31.21 VT1.3
NetR1_1: R1.1 X1.4 | length 3.5
  Top Layer w0.254: X1.4 86.747,5.743 86.747,7.747 v2(86.75,7.75)
  Bottom Layer w0.508: v2(86.75,7.75) R1.1
NetR2_2: R2.2 R7.1 U1.6 | length 10.6
  Top Layer w0.254: R7.1 82.225,21.187 82.606,20.806 82.606,20.087 82.672,20.021 82.672,18.578 86.002,15.248 86.002,15.123 86.375,14.75 R2.2
NetR3_1: R3.1 R7.2 U1.11 | length 6.3
  Top Layer w0.254: R7.2 82.225,26.3 82.79,26.865 U1.11 ; U1.11@82.606,29.75 82.606,31.356 R3.1@82.75,31.5
NetR4_1: R4.1 R8.2 U1.10@84.06,29.75 | length 6.7
  Top Layer w0.254: U1.10@84,29.75 84,29.626 84,25.725 R8.2 ; U1.10@84.06,29.75 84.06,30.469 84.195,30.604 84.195,30.695 84.547,31.047 84.547,31.377 84.67,31.5 R4.1@85,31.5
NetR5_2: R5.2 R8.1 U1.7 | length 10.9
  Top Layer w0.254: R8.1 84.225,21.155 83.876,20.806 83.876,20.087 83.942,20.021 83.942,19.183 88.375,14.75 R5.2
NetR17_1: R17.1 R35.2 VT3.1 | length 4.8
  Bottom Layer w0.254: VT3.1@19.95,59 R35.2@24.75,59
NetR17_2: R17.2 R33.1 R34.1 VT3.2 | length 28.1
  Top Layer w1: R34.1 40.5,57.25 40.5,53.414 42.053,51.861 R33.1
  Top Layer w1.4: v6(22.5,57.25) 40.5,57.25
  Bottom Layer w1.4: VT3.2@20.25,57.25 R17.2 v6(22.5,57.25)
NetR19_1: R19.1 VD8.1 | length 2.2
  Top Layer w0.254: VD8.1 R19.1
NetR19_2: R19.2 U4.3 | length 9.7
  Top Layer w0.254: R19.2 v2(22.5,50.25) ; U4.3@26.738,44.624 U4.3
  Bottom Layer w0.254: v2(22.5,50.25) 25,50.25 25.25,50 25.25,47 26.738,45.512 U4.3@26.738,44.624
NetR20_1: R20.1 X1.10 | length 3.5
  Top Layer w0.254: X1.10 89.747,5.743 89.747,7.747 v2(89.75,7.75)
  Bottom Layer w0.508: v2(89.75,7.75) R20.1
NetR22_2: R22.2 VT1.1 | length 2.8
  Bottom Layer w0.508: VT1.1 50.975,35.975 50.975,38.725 R22.2
NetR35_1: R35.1 R36.2 VT2.3 | length 10.5
  Bottom Layer w0.254: R35.1 26.25,58.875 27.125,58 VT2.3
NetR36_1: R36.1 R37.2 VT4.1 | length 18.6
  Top Layer w0.254: v2(22.75,43.25) 22.75,46.375 28.5,52.125 v2(28.5,55.25)
  Bottom Layer w0.254: v2(22.75,43.25) 22.893,43.107 22.893,42.507 23.577,41.823 23.577,41.623 23.75,41.45 VT4.1 25.7,41.45 R37.2
NetSB1_2: SB1.2 U4.11 | length 44.4
  Top Layer w0.508: SB1.2 38,4.404 36.75,5.654 36.75,7.75 41,12 v1(41,29.75)
  Bottom Layer w0.508: U4.11 41,40.52 v1(41,29.75)
NetU4_1: U4.1 VT5.3 | length 2.2
  Bottom Layer w0.254: VT5.3@22.2,44.25 24.072,44.25 U4.1
NetVD6_1: VD6.1 X2.2 | length 8.1
  Bottom Layer w0.254: VD6.1 51,50.5 52.987,52.487 55.727,52.487 X2.2
PTT_IN: J4.5 VD5.2 X2.8 | length 41.8
  Top Layer w0.254: J4.5@52.5,10 52.5,12.85 50,15.35 VD5.2 50,20.25 58.396,28.646 58.396,29.146 v1(58.5,29.25)
  Bottom Layer w0.254: X2.8 59,44.22 59,29.75 v1(58.5,29.25)
R_SP: C14.2 J3.2 | length 26.3
  Top Layer w1: J3.2@5,10 5,17 9.25,21.25 C14.2@9.25,34.5
R_SP_OUT: J3.3 X6.1 | length 8.8
  Bottom Layer w1: J3.3@7.5,10 7.5,17 8.75,18.25
RHP_OUT: R27.1 R32.1 X2.7 | length 31.8
  Top Layer w0.508: v1(48,49.5) 51.18,49.5 54.261,46.419 X2.7@54.261,46.18
  Bottom Layer w0.508: R27.1@26.496,53.371 26.496,53.75 R32.1@34,53.75 ; R32.1 34.246,53.746 34.665,53.746 34.669,53.75 38.5,53.75 42.75,49.5 v1(48,49.5) ; X2.7@54.261,46.18 X2.7
T_I2C_SCL: R13.1 X4.3 | length 4
  Top Layer w0.254: R13.1@89,46 89.125,46 90.875,47.75 X4.3
T_I2C_SDA: R12.1 X4.1 | length 9.6
  Top Layer w0.254: R12.1@86.5,46 86.5,47.75 91.5,52.75 X4.1
TX_IN: R21.2 R22.1 VD6.2 | length 6.4
  Bottom Layer w0.508: R22.1 R21.2 VD6.2
U_BLU: R38.2 VT4.3 VT5.1 | length 4.3
  Bottom Layer w0.254: VT5.1 19.8,41.55 R38.2 20.123,41.127 20.723,41.127 21.35,40.5 VT4.3
USB_D+: R4.2 X2.6 | length 41
  Top Layer w0.254: v4(83.75,36.25) 85,35 R4.2
  Bottom Layer w0.254: X2.6 59.271,48.568 59.366,48.561 59.47,48.457 64.707,35.225 64.726,35.177 64.764,35.139 64.768,35.135 65.75,34.25 67.053,33.066 67.126,33 80.5,33 v4(83.75,36.25)
USB_D-: R3.2 X2.4 | length 42
  Top Layer w0.254: v4(81.5,36.75) 81.648,36.75 82.75,35.648 R3.2
  Bottom Layer w0.254: X2.4 58.783,51.26 58.895,51.148 65.038,35.628 65.057,35.579 65.094,35.542 65.099,35.537 67.411,33.454 80.204,33.454 81.5,34.75 v4(81.5,36.75)
USB_DI+: R5.1 X1.6 X1.8 | length 10.3
  Top Layer w0.254: X1.6 87.768,5.717 87.768,4.732 88,4.5 88.5,4.5 88.722,4.722 88.722,5.717 X1.8 ; R5.1 88.75,12.5 X1.8@88.75,5.74
USB_DI-: R2.1 X1.5 X1.7 | length 10
  Top Layer w0.254: R2.1 86.58,12.75 86.953,12.377 86.953,12.047 88.245,10.755 88.245,7 ; X1.5@87.25,5.74 87.25,7 88.245,7 ; X1.7 88.245,7
USB_GND: C2.1 C6.1 C25.1 R1.2 R6.1 R20.2 U1.2 U1.8 X1.1 X1.12 X1.13 | length 69.2
  Top Layer w0.254: U1.2@77.526,20.087 77.592,20.021 77.592,18.533 79.25,16.875 C6.1 ; C2.1 79.621,14.129 C2.1@79.748,14.129 ; U1.8@85.146,20.087 85.146,19.462 85.608,19 90,19 90.627,18.373 90.877,18.373 R6.1
  Top Layer w0.508: C2.1 C6.1 ; C2.1@79.748,14.129 80.127,13.75 92.5,13.75 ; X1.13@83.675,5.04 83.675,0.86 92.325,0.86 X1.13@92.325,5.04 ; X1.13@83.856,4.547 84.75,4.547 84.75,5.695 X1.1@84.795,5.74 ; X1.12 91.241,5.694 91.241,4.556 91.25,4.547 X1.13@92.144,4.547 ; X1.12@91.25,5.74 91.25,7.25 92.5,8.5 v1(92.5,11.25) 92.5,13.75 ; R6.1 92.5,18 ; C25.1 92.5,18 ; 92.5,13.75 92.5,18
  Bottom Layer w0.508: R1.2 R20.2 v1(92.5,11.25)
USB_VBUS: R23.1 X1.2 | length 3.2
  Top Layer w0.508: R23.1 85.595,6.655 X1.2
pads on no net: C11. C16. C17. C20.2 D1. DA1. J1.0 J1.3 J1.4 J2.0 J2.3 J2.4 J3.0 J4.0 J4.2 J4.3 J4.4 J5.0 J5.2 J5.3 J5.4 R38.1 SB1.0 U1.10@75.488,19.763 U1.25 U4.4 U4.5 U4.9 U4.10 VD1. VD2. VD3. VD4. VD5. VD6.5 VD7. VD9.4 VD10.5 VT1. VT2. VT3. VT4. VT5. X1.3 X1.9 X1.11 X2. X3.28 X4.28 X8.

## Polygon pours and split planes (outlines as drawn)
GND on Top Layer "Top" (solid, remove dead copper, pour order 1): 0,0 0,60 95,60 95,0
USB_GND on Top Layer "Top" (solid, remove dead copper, pour order 2): 82.5,6.5 93.5,6.5 93.5,0 82.5,0
GND on Bottom Layer "Top" (solid, remove dead copper, pour order 3): 0,0 0,60 95,60 95,0
USB_GND on Bottom Layer "Top" (solid, remove dead copper, pour order 0): 93.5,0 93.5,6.5 82.5,6.5 82.5,0

## Keep-outs
Keep-Out Layer:
  the board outline again, w0.254

## Silkscreen, mask and mechanical layers (free items; w line width, h text height)
Top Overlay:
  lines w0.254: 36.75,55 40.55,55 42.775,52.775 ; 36.75,56.5 40.85,56.5 42,57.65
  text "+13.8 UM" at 60.75,58.518 h1.5
  text "GND" at 89.5,57.518 h1.5
  text "Только один!!!" at 33,55.262 h2
  text "+" at 18,52.345 h1.5
  text "13.8 IN" at 61.75,39.518 h1.5
  text "WF Team RB v0.4" at 58,29.75 h4
  text "I2C Adr" at 87.75,29.016 h1.5
  text "+" at 18.75,17.473 h3
  text "+" at 7.75,17.223 h3
  text "SPEAKERS" at 6,12.516 h1.5
  text "TX OUT" at 23.75,12.516 h1.5
  text "CW KEY" at 70.5,12.516 h1.5
  text "PTT IN" at 45.25,12.5 h1.5
  text "LINE" at 58.25,12.5 h1.5
  text "USB" at 91,8.516 h1.5

## Text inside footprints (layer, text, board x,y; h text height)
U4: Top Overlay "Bluetooth" at 24,58.266 h1.5